# Altium PCB radxa_nx4_io_board_v1.11.PcbDoc (part 5 of 13)
Units mil, origin at the board's own origin, x right, y up, seen from the top; angles counter-clockwise.
Board outline 3937.01 x 3110.23 mil, 6 copper layers (TOP, GND02, ART03, ART04, GND05, BOTTOM), stack 47.2 mil thick; 639 components, 522 nets, 2442 pads, 1896 vias.
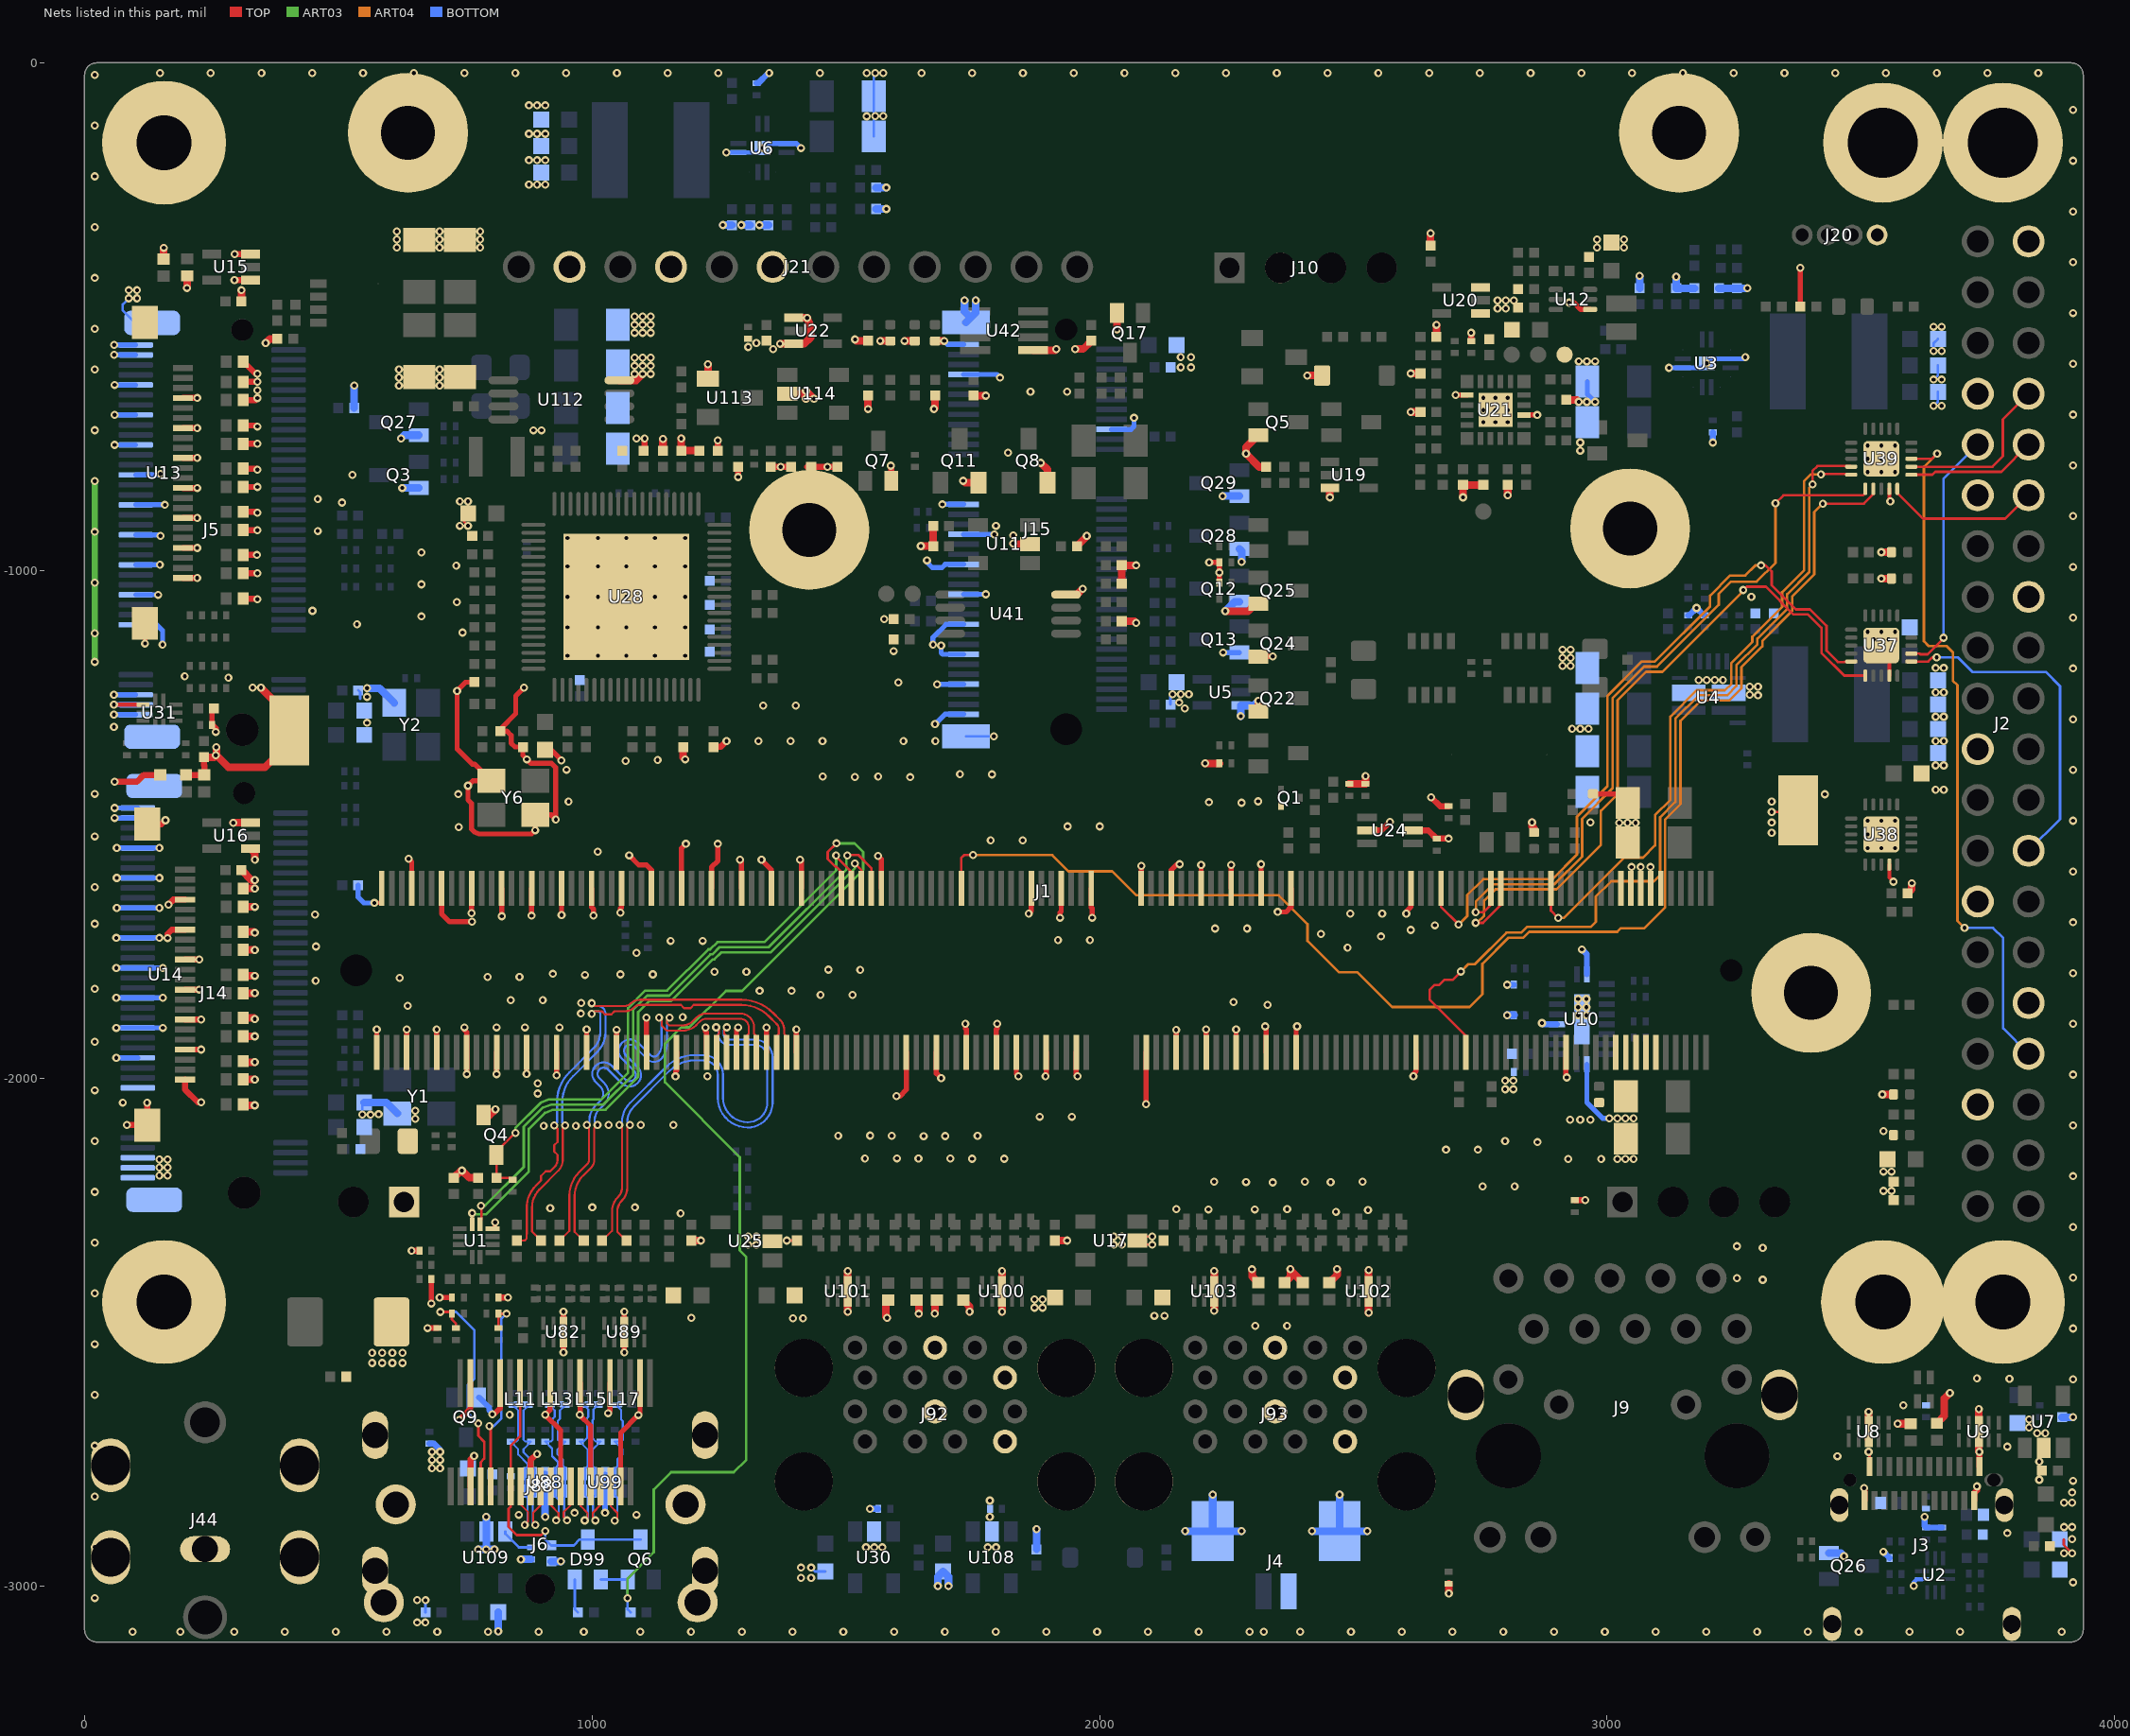
[diagram p9: the nets of this part, all layers, seen from the top]

## Via types
v1: diameter 16, hole 8, TOP to BOTTOM, 1896 vias

## Nets (pads, with @x,y where several pads share a name; then routed paths per layer and width w, separated by ;. In a path a pad name is that pad's centre, name@x,y a point inside that pad or via, vN(x,y) a via of type N, cw(c..) or ccw(c..) an arc to the next point about the centre after c; other vN are vias at no path point) (continued)
GND: C1.2 C2.2 C3.2 C5.2 C6.2 C7.2 C8.2 C9.2 C10.2 C13.2 C14.2 C15.1 C17.2 C19.2 C20.2 C21.2 C22.2 C23.2 C24.2 C25.2 C27.2 C28.2 C29.2 C30.2 C37.2 C38.2 C43.2 C44.2 C45.2 C50.2 C51.2 C52.2 C53.2 C54.2 C55.2 C56.2 C57.2 C59.2 C60.2 C61.2 C62.2 C64.2 C65.2 C66.2 C67.2 C68.2 C69.2 C70.2 C71.2 C72.2 C73.2 C74.2 C75.2 C76.2 C77.2 C80.2 C81.2 C82.2 C83.2 C84.2 C85.2 C86.2 C87.2 C88.2 C89.2 C90.2 C91.1 C92.2 C93.1 C94.1 C96.2 C97.2 C98.2 C99.2 C100.2 C117.2 C119.2 C120.2 C121.2 C122.2 C123.2 C124.2 C125.2 C126.2 C127.2 C128.2 C129.2 C132.2 C133.2 C140.2 C145.2 C146.2 C147.2 C148.2 C150.2 C151.2 C152.2 C153.2 C158.2 C159.2 C160.2 C161.2 C162.2 C163.1 C164.2 C169.2 C378.1 C379.1 C382.1 C388.2 C398.2 C401.2 C402.2 C403.1 C404.2 C405.2 C407.2 C408.2 C409.2 C410.2 C414.2 C417.2 C418.2 C419.2 C422.2 D2.1 D3.1 D4.1 D5.1 D6.2 D7.2 D8.2 D9.2 D10.2 D11.1 D12.1 D13.2 D14.2 D15.2 D16.2 D17.2 D18.2 D19.2 D20.2 D21.2 D22.2 D23.2 D24.2 D25.2 D26.2 D27.2 D28.2 D29.2 D31.2 D32.2 D35.1 D36.2 D37.2 D38.2 D39.2 D40.2 D41.2 D42.2 D43.2 D47.2 D48.2 D49.2 D50.2 D51.2 D52.2 D60.1 D61.1 D62.1 D63.1 D64.1 D65.1 D66.1 H1.1 H2.1 H3.1 H1005.1 H1006.1 H1007.1 H1011.1 H1012.1 H1013.1 H1014.1 H1015.1 J1.1 J1.2 J1.7 J1.8 J1.13 J1.14 J1.19 J1.20 J1.25 J1.26 J1.31 J1.32 J1.37 J1.38 J1.43 J1.44 J1.49 J1.50 J1.55 J1.56 J1.61 J1.62 J1.67 J1.68 J1.73 J1.74 J1.79 J1.80 J1.85 J1.86 J1.102 J1.107 J1.113 J1.119 J1.125 J1.129 J1.132 J1.135 J1.138 J1.141 J1.144 J1.146 J1.147 J1.152 J1.153 J1.158 J1.159 J1.164 J1.165 J1.170 J1.171 J1.176 J1.177 J1.200 J1.201 J1.231 J1.241 J1.242 J1.243 J1.244 J1.245 J1.246 J1.247 J1.248 J1.249 J1.250 J1.261 J1.262 J2.6 J2.9 J2.14 J2.20 J2.25 J2.30 J2.34 J2.39 J3.A1 J3.A12 J3.B1 J3.B12 J3.H1 J3.H2 J3.H3 J3.H4 J4.1 J4.3 J4.4 J5.1 J5.3 J5.9 J5.15 J5.21 J5.27 J5.33 J5.39 J5.45 J5.51 J5.57 J5.71 J5.73 J5.75 J5.G1 J5.G2 J6.2 J6.5 J6.8 J6.11 J6.17 J6.20 J6.21 J6.22 J6.23 J7.1 J9.19 J9.20 J10.2 J14.1 J14.3 J14.9 J14.15 J14.21 J14.27 J14.33 J14.39 J14.45 J14.51 J14.57 J14.71 J14.73 J14.75 J14.G1 J14.G2 J15.1 J15.7 J15.18 J15.33 J15.39 J15.45 J15.51 J15.57 J15.63 J15.69 J15.75 J15.76 J15.77 J20.1 J21.7 J21.9 J21.11 J44.2 J44.4 J44.5 J44.6 J44.7 J88.2 J88.5 J88.8 J88.11 J88.16 J88.19 J88.21 J88.22 J88.23 J88.24 J92.4 J92.7 J92.13 J92.16 J92.19 J92.20 J92.21 J92.22 J93.4 J93.7 J93.13 J93.16 J93.19 J93.20 J93.21 J93.22 Q1.2 Q3.2 Q4.2 Q5.2 Q7.2 Q8.2 Q9.2 Q11.2 Q12.2 Q13.2 Q17.2 Q22.2 Q24.2 Q25.2 Q26.2 Q27.2 Q28.2 Q29.2 R20.2 R22.2 R37.2 R39.2 R42.2 R50.1 R51.1 R52.1 R53.2 R58.2 R59.1 R60.1 R72.2 R77.2 R89.2 R90.2 R92.1 R95.2 R109.2 R110.2 R111.2 R112.1 R115.2 R119.2 R120.2 R121.2 R124.2 R130.1 R132.1 R133.2 R134.1 R135.1 R139.2 R142.1 R143.1 R151.2 R152.2 R153.2 R174.1 R180.1 R202.1 R214.2 R215.2 R216.2 R217.2 R220.2 R224.1 R241.1 R320.2 R326.2 R327.2 R342.2 R343.1 R344.1 R390.1 R391.1 TP33.1 U1.6 U2.4 U3.6 U3.14 U3.17 U4.3 U4.11 U5.3 U6.6 U6.14 U6.17 U7.2 U8.3 U8.8 U9.3 U9.8 U10.4 U10.10 U10.19 U10.21 U11.2 U12.1 U13.1 U13.4 U13.7 U13.10 U13.13 U13.16 U13.19 U13.23 U13.24 U14.1 U14.4 U14.7 U14.10 U14.13 U14.16 U14.19 U14.23 U14.24 U15.1 U15.3 U16.1 U16.3 U17.2 U19.3 U20.1 U20.3 U21.3 U21.12 U21.21 U22.1 U22.3 U24.2 U24.5 U25.2 U28.77 U30.2 U31.3 U37.9 U37.21 U38.9 U38.21 U39.9 U39.21 U41.4 U42.5 U82.3 U82.8 U88.3 U88.8 U89.3 U89.8 U99.3 U99.8 U100.3 U100.8 U101.3 U101.8 U102.3 U102.8 U103.3 U103.8 U108.2 U109.2 U112.4 U113.1 U114.2 Y1.2 Y2.2 Y6.2 Y6.4 | length 16934.4
  TOP w5: C398.2@748.44,-888 748.44,-904.44 v1(756,-912) ; v1(1384,-2319.75) R180.1@1404,-2319.75 ; v1(2104,-2328) 2081.18,-2328 2075.18,-2322 2085.18,-2312 v1(2104,-2312) ; v1(3024,-1497) 3024,-1468.82 3035.82,-1457 3039.82,-1457 C51.2@3040.82,-1458 ; v1(3324,-1475.47) 3373.45,-1475.47 J1.261@3376.37,-1472.55 ; v1(3515,-2736) 3516.65,-2737.65 J3.A1@3516.65,-2765.19 ; 3899.56,-2908.86 3899.56,-2919.56 v1(3916,-2936)
  TOP w8: v1(58.44,-1264.25) U31.3@115.52,-1264.25 ; v1(571.51,-1654.85) 581.15,-1654.85 586.02,-1649.98 J1.2@586.02,-1626.09 ; U1.6@804.48,-2296.38 809.48,-2291.38 v1(809.48,-2284) ; U37.21@3540,-1148 3555.75,-1163.75 U37.9@3555.75,-1207.24 ; U38.9@3555.75,-1579.24 3555.75,-1604.82 v1(3564,-1613.07) ; U39.9@3555.75,-839.24 3555.75,-862.21 v1(3557.75,-864.21)
  TOP w10: v1(119.84,-1143.84) U13.24@119.84,-1104.26 ; C133.2@251.81,-1304 251.81,-1275.94 R151.2@255.75,-1272 ; J1.1@576.17,-1948.92 v1(576.17,-1904.17) ; J1.7@635.23,-1948.92 v1(635.23,-1904) ; v1(638.83,-1567.78) 645.07,-1574.02 J1.8@645.07,-1626.09 ; J1.13@694.28,-1948.92 v1(694.28,-1904) ; J1.14@704.13,-1626.09 704.13,-1676.13 720,-1692 v1(764,-1692) ; v1(749.21,-1900) 749.21,-1905.21 753.34,-1909.34 J1.19@753.34,-1948.92 v1(753.34,-1992) ; v1(763.18,-1675) J1.20@763.18,-1626.09 ; C379.1@768.25,-1220 751.07,-1220 734.5,-1236.57 v1(734.5,-1237.57) 734.41,-1237.66 734.41,-1351.79 764.21,-1381.59 768.74,-1381.59 Y6.4@801.69,-1414.54 765.46,-1414.54 v1(756,-1424) 756,-1452 763.13,-1459.13 763.13,-1509.65 768.51,-1515.03 778.09,-1519 881.01,-1519 v1(888.31,-1511.7) Y6.2@888.31,-1481.46 919.97,-1481.46 v1(928.97,-1490.46) 928.97,-1388.45 920.44,-1379.92 879.92,-1379.92 v1(872,-1372) 864,-1364 R327.2@864,-1347.75 848.59,-1347.75 840.84,-1340 840.84,-1324.84 832.25,-1316.25 C378.1@820,-1316.25 820,-1312 850,-1282 850,-1247.06 v1(866.39,-1230.67) ; v1(812.39,-1992) J1.25@812.39,-1948.92 ; v1(822.24,-1680.96) J1.26@822.24,-1626.09 ; v1(871.45,-1991.45) J1.31@871.45,-1948.92 ; v1(881.29,-1680) J1.32@881.29,-1626.09 ; C388.2@908,-1353.56 919.54,-1353.56 v1(939.98,-1374) ; J88.11@917.68,-2600.64 917.68,-2653.32 v1(908,-2663) 938.5,-2693.5 J6.8@938.5,-2804.28 ; v1(930.5,-1994.5) J1.37@930.5,-1948.92 ; v1@940.35,-1678.94 J1.38@940.35,-1626.09 ; J88.8@976.74,-2600.64 976.74,-2662.26 v1(976,-2663) 997.56,-2684.56 J6.5@997.56,-2804.28 ; J1.43@989.56,-1948.92 v1(989.56,-1904) ; J1.44@999.4,-1626.09 999.4,-1663.4 1003.35,-1667.35 v1(1003.35,-1679.65) ; v1(1031.79,-2659.79) 1035.79,-2655.79 J88.5@1035.79,-2600.64 ; J1.49@1048.61,-1948.92 v1(1048.61,-1904.61) ; v1(1056.48,-1674.03) 1056.48,-1665.98 1058.46,-1664 J1.50@1058.46,-1626.09 ; J6.2@1056.61,-2804.28 1056.61,-2698.39 v1(1091.5,-2663.5) 1094.85,-2660.15 J88.2@1094.85,-2600.64 ; v1(1064,-2540) U89.8@1064,-2515.26 U89.3@1064,-2484.74 v1(1064,-2460) ; v1(1073.42,-1561) 1092.49,-1580.07 1107.51,-1580.07 1117.51,-1590.07 J1.56@1117.51,-1626.09 ; J1.55@1107.67,-1948.92 v1(1107.67,-1880.54) ; v1(1164.75,-1996.58) 1164.75,-1987.25 1166.72,-1985.28 J1.61@1166.72,-1948.92 ; J1.62@1176.57,-1626.09 1176.57,-1547.03 v1(1185.21,-1538.39) ; v1(1223.8,-1900.06) 1223.8,-1907.8 1225.78,-1909.78 J1.67@1225.78,-1948.92 ; J1.68@1235.62,-1626.09 1235.62,-1584.38 1248.21,-1571.79 v1(1248.21,-1538.39) ; J1.73@1284.84,-1948.92 1284.84,-1903.16 v1(1288,-1900) ; v1(1291.68,-1569.85) 1294.68,-1572.85 J1.74@1294.68,-1626.09 ; v1(1334.1,-1569.85) 1353.73,-1589.48 J1.80@1353.73,-1626.09 ; J1.79@1343.89,-1948.92 v1(1343.89,-1900.11) ; J1.85@1402.95,-1948.92 v1(1402.95,-1904) ; v1(1410.33,-1569.85) 1412.79,-1572.31 J1.86@1412.79,-1626.09 ; v1(1563.63,-1562.45) 1570.27,-1569.09 J1.102@1570.27,-1626.09 ; v1(1600,-2035.4) 1606.71,-2035.4 1619.48,-2022.63 J1.107@1619.48,-1948.92 ; J1.113@1678.54,-1948.92 1678.54,-1990.54 v1(1688,-2000) ; v1(1735.62,-1892.97) 1735.62,-1902.03 1737.59,-1904 J1.119@1737.59,-1948.92 ; J1.125@1796.65,-1948.92 1796.65,-1904 1798.62,-1902.03 v1(1798.62,-1892.97) ; J1.129@1836.02,-1948.92 1836.02,-1992.02 v1(1840,-1996) ; v1(1860.36,-1676) 1865.54,-1670.82 J1.132@1865.54,-1626.09 ; v1(1893.68,-1996.37) 1895.07,-1994.98 J1.135@1895.07,-1948.92 ; v1(1922.33,-1684) 1922.33,-1673.67 1924.6,-1671.4 J1.138@1924.6,-1626.09 ; J1.141@1954.13,-1948.92 1954.13,-1993.82 v1(1956.68,-1996.37) ; J1.144@1983.65,-1626.09 1983.65,-1663.65 1985.33,-1665.33 v1(1985.33,-1684) ; J1.146@2082.08,-1626.09 v1(2082.08,-1582.08) ; v1(2091.92,-2051) J1.147@2091.92,-1948.92 ; J1.152@2141.13,-1626.09 2141.13,-1590.08 2152.61,-1578.6 v1(2157.77,-1578.6) ; J1.153@2150.98,-1948.92 v1(2150.98,-1905.02) ; J1.158@2200.19,-1626.09 v1(2200.19,-1580.19) ; J1.159@2210.03,-1948.92 v1(2210.03,-1904) ; v1(2216,-984) R39.2@2236.19,-984 v1(2236.19,-1004) R42.2@2236.19,-1024 ; J1.164@2259.24,-1626.09 v1(2259.24,-1580) ; J1.165@2269.09,-1948.92 v1(2269.09,-1904) ; Q24.2@2312.63,-1169.59 v1(2341.41,-1169.59) ; J1.170@2318.3,-1626.09 v1(2318.3,-1578.64) ; v1(2326.17,-1897.97) 2328.14,-1899.94 J1.171@2328.14,-1948.92 ; v1(2351,-1672.54) 2356.04,-1672.57 2367.35,-1672.57 2377.35,-1662.57 J1.176@2377.35,-1626.09 ; J1.177@2387.2,-1948.92 2387.2,-1899.94 v1(2389.17,-1897.97) ; v1(2604.34,-1676) 2604.34,-1671.66 2613.58,-1662.42 J1.200@2613.58,-1626.09 ; v1(2618.28,-1996.37) 2618.28,-1991.6 2623.42,-1986.46 J1.201@2623.42,-1948.92 ; v1(2701.53,-654.47) U21.12@2723.9,-654.47 ; U21.3@2836.1,-693.84 v1(2862.16,-693.84) ; J1.231@2918.69,-1948.92 2918.69,-1996.96 v1(2920.23,-1998.5) ; v1(2925.27,-472.47) 2934.46,-472.47 2947.95,-485.96 U12.1@2966.28,-485.96 ; D4.1@2972,-1440 3024.82,-1440 3040.82,-1456 C51.2@3040.82,-1458 ; C161.2@3380.25,-480 v1(3380.25,-404)
  TOP w11: v1(676.19,-2492.19) C87.2@696,-2492.19 ; v1(683.81,-2443.81) C44.2@683.81,-2396 ; v1(700,-2432) C37.2@724.19,-2432 ; v1(738.81,-2673.32) 760.2,-2651.93 J88.19@760.2,-2600.64 ; v1(804,-2662) 807.24,-2662 819.26,-2649.98 J88.16@819.26,-2600.64
  TOP w12: v1(60,-1416) 104,-1416 117.22,-1402.78 D21.2@149.49,-1402.78 ; v1(84.26,-2092.26) U14.24@123.84,-2092.26 v1(123.84,-2048.16) ; U14.23@123.84,-1499.74 152.26,-1499.74 v1(160,-1492) ; v1(164,-1724) 164,-1716 172.58,-1707.42 U14.16@198.64,-1707.42 ; v1(166,-1658) 175.64,-1648.36 U14.19@198.64,-1648.36 ; U13.1@194.64,-1014.69 v1(222.47,-1014.69) ; U13.4@194.64,-955.64 v1(222.47,-955.64) ; U13.7@194.64,-896.58 v1(222.47,-896.58) ; U13.10@194.64,-837.53 v1(222.47,-837.53) ; U13.13@194.64,-778.47 v1(222.47,-778.47) ; U13.16@194.64,-719.42 v1(222.47,-719.42) ; U13.19@194.64,-660.36 v1(222.47,-660.36) ; U14.1@198.64,-2002.69 198.64,-2022.65 223.67,-2047.68 v1(230.39,-2047.68) ; U14.4@198.64,-1943.64 v1(230.42,-1943.64) ; U14.7@198.64,-1884.58 v1(230.42,-1884.58) ; U14.10@198.64,-1825.53 v1(226.47,-1825.53) ; U14.13@198.64,-1766.47 v1(226.47,-1766.47) ; D20.2@200.49,-1402.78 D18.2@236.49,-1402.78 236.49,-1384.48 236,-1383.99 R152.2@236,-1367.75 ; C133.2@251.81,-1304 259,-1311.19 v1(259,-1318) ; v1(296,-428.08) U15.1@327.7,-428.08 ; v1(296.19,-376.9) U15.3@327.7,-376.9 ; D47.2@313.22,-1055.49 340.05,-1055.49 v1(341.05,-1056.49) ; D48.2@313.22,-1005.49 v1(341.05,-1005.49) ; D49.2@313.22,-969.49 v1(340.05,-969.49) ; D50.2@313.22,-920.49 v1(341.05,-920.49) ; D51.2@313.22,-884.49 339.05,-884.49 v1(341.05,-886.49) ; D52.2@313.22,-835.49 v1(341.05,-835.49) ; D22.2@313.22,-799.49 339.05,-799.49 v1(341.05,-801.49) ; D23.2@313.22,-750.49 v1(341.05,-750.49) ; D24.2@313.22,-714.49 339.05,-714.49 v1(341.05,-716.49) ; D25.2@313.22,-664.49 337.05,-664.49 v1(341.05,-660.49) ; D28.2@313.22,-628.49 v1(341.05,-628.49) ; D29.2@313.22,-588.49 337.22,-612.49 v1(341.05,-612.49) ; v1(645,-2340) C43.2@660.19,-2340 ; J6.17@761.33,-2804.28 761.33,-2750.67 v1(768,-2744) ; C38.2@815.81,-2432 v1(834.72,-2432) ; J6.11@879.44,-2804.28 879.44,-2752 891.44,-2740 v1(892,-2740) ; v1(944,-2540) U82.8@944,-2515.26 U82.3@944,-2484.74 v1(944,-2460) ; R342.2@1102,-764.25 1104,-762.25 v1(1104,-740) ; C408.2@1240,-1347.75 1240.2,-1347.55 1253.74,-1347.55 v1(1265.32,-1335.97) ; C419.2@1248,-764.25 v1(1248,-744) ; v1(1288,-816) C422.2@1288,-795.75 ; C401.2@1352,-795.75 1371.75,-795.75 v1(1372,-796) 1372.25,-795.75 C402.2@1384,-795.75 ; R344.1@1424,-795.75 R344.1@1432,-795.75 v1(1464.25,-795.75) R343.1@1484,-795.75 ; v1(1588.59,-793.59) 1589.59,-794.59 Q7.2@1589.59,-823.37 ; U24.2@2526.72,-1512 2555,-1512 v1(2572,-1495) ; U24.5@2617.28,-1512 2647.81,-1512 R241.1@2664,-1528.19 v1(2687.81,-1528.19) ; v1(2653.41,-1446.59) 2671.01,-1464.19 C151.2@2688,-1464.19 ; R124.2@2732,-548.19 v1(2732,-532) ; C93.1@2936,-2240.19 v1(2956.88,-2240.19) ; v1(3506,-2807) 3506.81,-2807.81 J3.B12@3506.81,-2831.73 ; J3.B1@3723.35,-2831.73 3723.35,-2816.64 3728.35,-2811.64 v1(3728.35,-2804) ; v1(3733,-2736) 3733.19,-2736.19 J3.A12@3733.19,-2765.19
  TOP w15: D27.2@156.49,-386.78 v1(156.49,-364.49) ; v1(202.34,-443.71) 203.02,-443.03 D26.2@203.02,-419.71 ; R152.2@236,-1367.75 255.52,-1367.75 v1(259.25,-1364.02) ; v1(260.25,-1348.27) 260.25,-1363.02 v1(259.25,-1364.02) ; v1(293.65,-1496.9) U16.3@327.7,-1496.9 ; C85.2@309.75,-1590 329.75,-1610 v1(336,-1610) ; C129.2@309.75,-470 v1(309.75,-448) ; D6.2@313.22,-2051.49 313.22,-2052.49 314.22,-2053.49 v1(336,-2053.49) ; D7.2@313.22,-2002.49 v1(336,-2002.49) ; D8.2@313.22,-1966.49 315.22,-1968.49 v1(336,-1968.49) ; D9.2@313.22,-1917.49 v1(336,-1917.49) ; D10.2@313.22,-1881.49 334,-1881.49 v1(336,-1883.49) ; D13.2@313.22,-1832.49 v1(336,-1832.49) ; D14.2@313.22,-1796.49 315.22,-1798.49 v1(336,-1798.49) ; D15.2@313.22,-1747.49 v1(336,-1747.49) ; D16.2@313.22,-1711.49 334,-1711.49 v1(336,-1713.49) ; D17.2@313.22,-1662.49 v1(336,-1662.49) ; D19.2@313.22,-1626.49 v1(336,-1626.49) ; U16.1@327.7,-1548.08 336.13,-1556.51 v1(336.13,-1569.55) ; v1(348,-1231) 403.93,-1286.93 J1.262@403.93,-1315.07 403.93,-1340.07 356,-1388 284.23,-1388 260.25,-1364.02 v1(259.25,-1364.02) ; v1(357.41,-552) 365.41,-544 R37.2@380.25,-544 ; C45.2@728,-2196.25 742.34,-2181.91 v1(744,-2181.91) 758.34,-2196.25 C50.2@776,-2196.25 ; Q4.2@786.41,-2072.63 798.96,-2072.63 v1(810,-2061.59) ; U112.4@1054.2,-625.6 1087.4,-625.6 v1(1100,-613) ; C382.1@1140,-764.25 v1(1140,-741) ; v1(1176,-740) R326.2@1176,-764.25 C410.2@1212,-764.25 ; C418.2@1180,-1347.75 1180,-1368 v1(1184,-1372) ; R90.2@1196,-2319.75 v1(1214.84,-2319.75) ; U113.1@1228.69,-622.6 v1(1228.69,-593.85) ; v1(1370.59,-553.59) U22.3@1397.81,-553.59 1418.43,-553.59 1430.79,-541.23 1430.79,-518.79 v1(1424,-502.41) U22.1@1397.81,-502.41 ; U114.2@1384.82,-652 1415.75,-652 v1(1421.75,-646) ; v1(1421.75,-662) v1(1421.75,-646) ; v1(1437.5,-661.75) v1(1421.75,-646) ; v1(1504,-2460) U101.8@1504,-2435.26 U101.3@1504,-2404.74 v1(1504,-2380) ; v1(1518.44,-545) 1521.19,-547.75 R220.2@1544,-547.75 ; v1(1544,-682) C403.1@1544,-655.75 ; v1(1568,-548) D64.1@1588,-548 ; v1(1581.54,-2472) 1578.99,-2469.45 1578.99,-2462.99 1578.98,-2441.75 D39.2@1583.51,-2437.22 ; v1(1616,-548) D65.1@1636,-548 ; D38.2@1639.51,-2437.22 1644,-2441.71 v1(1644,-2464) ; v1(1648,-952) C24.2@1672.25,-952 C25.2@1672.25,-912 ; v1(1673.88,-681.87) 1676,-679.75 R224.1@1676,-655.75 ; v1(1675.51,-2463.51) 1675.51,-2441.22 D37.2@1679.51,-2437.22 ; D66.1@1676,-548 v1(1694,-548) ; v1(1731.39,-823.39) 1735.31,-827.31 Q11.2@1761.4,-827.31 ; D36.2@1731.51,-2437.22 1744,-2449.71 v1(1744,-2460) ; C162.2@1752,-655.75 v1(1776,-655.75) ; v1(1808,-2460) U100.8@1808,-2435.26 U100.3@1808,-2404.74 v1(1808,-2380) ; v1(1830,-947) 1831,-948 U11.2@1863.18,-948 ; U42.5@1869.09,-566.39 1912.53,-566.39 v1(1914.91,-564.01) ; v1(1884,-788) 1897.4,-801.4 Q8.2@1897.4,-827.31 ; R95.2@1912,-2319.75 v1(1936,-2319.75) ; U41.4@1934.2,-1047.6 1955.4,-1047.6 v1(1966.67,-1036.33) ; v1(1952,-564) 1967.75,-564 C163.1@1984,-547.75 ; C23.2@1955.75,-952 1974.79,-932.96 v1(1974.79,-931.96) ; v1(2034.41,-525.32) Q17.2@2034.41,-492.63 ; R217.2@2043.75,-1100 2069,-1100 v1(2072,-1103) ; R216.2@2043.75,-1026 R215.2@2043.75,-990 v1(2072,-990) ; v1(2208,-1380) C13.2@2236.19,-1380 ; v1(2226,-2458) U103.8@2226,-2435.26 U103.3@2226,-2404.74 v1(2226,-2380) ; v1(2247.62,-1080.22) 2292.74,-1080.22 2307.37,-1065.59 Q25.2@2312.63,-1065.59 ; v1(2300.49,-2376.49) 2300.49,-2390.78 D41.2@2312.49,-2402.78 ; Q22.2@2312.63,-1277.59 v1(2312.63,-1257) ; Q5.2@2312.63,-733.59 2288.64,-757.58 v1(2288.64,-769.66) 2288.64,-769.9 2314.99,-796.25 R121.2@2328,-796.25 ; D40.2@2364.49,-2402.78 2376,-2391.27 v1@2376,-2378.29 ; v1(2376,-2376) v1@2376,-2378.29 ; D43.2@2400.49,-2402.78 v1@2376,-2378.29 ; v1(2409.25,-616) D35.1@2438.25,-616 ; D42.2@2452.49,-2402.78 2468,-2387.27 v1(2468,-2376) ; v1(2453.81,-856) U19.3@2453.81,-837.59 ; R174.1@2492,-1420.19 C150.2@2524,-1420.19 v1(2524,-1405) ; v1(2530,-2462) U102.8@2530,-2435.26 U102.3@2530,-2404.74 v1(2530,-2378) ; v1(2613,-688) C90.2@2632.25,-688 ; v1(2613,-612) R112.1@2632.25,-612 ; R110.2@2652,-360.25 v1(2652,-336) ; R120.2@2663.75,-540 v1(2663.75,-516.25) ; v1(2688,-3014.72) C91.1@2688,-2995.81 ; v1(2716,-856) C88.2@2716,-831.75 R111.2@2756,-831.75 ; v1(2804,-852) R109.2@2804,-831.75 ; v1(2852,-1496) 2852,-1504 2856,-1508 D3.1@2856,-1516 ; C89.2@2919.75,-664 2940,-664 v1(2944,-668) ; U8.8@3515,-2711.26 U8.3@3515,-2680.74 v1(3515,-2657) ; v1(3540,-1016) D60.1@3560,-1016 ; v1(3540,-964) D61.1@3560,-964 ; v1(3542,-2032) D62.1@3564,-2032 ; v1(3572,-2680.62) D12.1@3597.51,-2680.62 ; R202.1@3591.75,-1636 3600,-1627.75 v1(3600,-1616) ; D11.1@3649.51,-2679.76 3664,-2665.27 3664,-2631.13 v1(3675.01,-2620.12) ; v1(3732,-2652) U9.8@3732,-2680.74 U9.3@3732,-2711.26 3732,-2735 v1(3733,-2736)
  ART03 w12: v1(20.73,-1180) v1(20.73,-1123.85) v1(20.73,-1023.85) v1(20.73,-923.85) v1(20.73,-823.85)
  ART04 w5: v1@3505,-2807 v1(3506,-2807)
  BOTTOM w5: v1(88,-464) 76,-476 76,-488 100.52,-512.52 J5.G2@133.92,-512.52 ; C77.2@539.75,-1236 543.75,-1240 543.75,-1252.75 ; v1(547.56,-2071.56) 547.56,-2052 C126.2@551.56,-2048 ; C122.2@672.25,-3052 v1(672.25,-3028.25) ; v1(1432,-2964) 1439.56,-2971.56 C125.2@1460,-2971.56 ; C17.2@1555.18,-145 C98.2@1555.18,-66 1555.18,-23.05 v1(1558,-20.23) ; J15.77@1736.93,-1326.5 v1(1792,-1326.5) ; C146.2@2139.75,-1264 2139.75,-1248.25 v1(2144,-1244) ; v1(3643,-676) 3651.56,-667.44 C19.2@3651.56,-648 ; v1(3643,-624) 3651.56,-615.44 C20.2@3651.56,-596 ; v1(3643,-568) 3643,-552.56 C21.2@3651.56,-544
  BOTTOM w8: v1(1264.86,-176.86) U6.14@1288.76,-176.86 1327.14,-176.86 v1(1336,-168) ; v1(3604,-3000) 3604,-2993 3610.27,-2986.73 U2.4@3620.41,-2986.73
  BOTTOM w10: v1(58.44,-1283.93) 58.68,-1284.17 J5.75@101.44,-1284.17 ; v1(58.44,-1264.25) 58.68,-1264.49 J5.73@101.44,-1264.49 ; v1(58.44,-1244.56) 58.68,-1244.8 J5.71@101.44,-1244.8 ; v1(59,-575.51) J5.3@101.44,-575.51 ; v1(59,-555.83) J5.1@101.44,-555.83 ; v1(60,-1487.51) J14.3@105.44,-1487.51 ; v1(60,-1467.83) J14.1@105.44,-1467.83 ; v1(60,-752.68) J5.21@101.44,-752.68 ; v1(60,-693.62) J5.15@101.44,-693.62 ; v1(60,-634.57) J5.9@101.44,-634.57 ; v1(63.15,-1959.95) J14.51@105.44,-1959.95 ; v1(63.15,-1900.9) J14.45@105.44,-1900.9 v1(154.73,-1900.9) ; v1(63.15,-1841.84) J14.39@105.44,-1841.84 v1(154.73,-1841.84) ; v1(63.15,-1782.79) J14.33@105.44,-1782.79 v1(154.73,-1782.79) ; v1(63.15,-1723.73) J14.27@105.44,-1723.73 v1(148,-1723.73) ; v1(64.15,-1664.68) J14.21@105.44,-1664.68 v1(148,-1664.68) ; v1(64.15,-1605.62) J14.15@105.44,-1605.62 v1(148,-1605.62) ; v1(64.15,-1546.57) J14.9@105.44,-1546.57 v1(148,-1546.57) ; J5.57@101.44,-1107.01 143.01,-1107.01 154.28,-1118.28 v1(154.28,-1146.28) ; J5.51@101.44,-1047.95 v1(145.32,-1047.95) ; J5.45@101.44,-988.9 v1(149,-988.9) ; J5.39@101.44,-929.84 145.84,-929.84 148,-932 v1(150,-932) ; J5.33@101.44,-870.79 v1(158.94,-870.78) ; J5.27@101.44,-811.73 148.06,-811.73 v1(150.03,-809.76) ; C140.2@539.75,-1620 539.75,-1643.75 550.85,-1654.85 v1(571.51,-1654.85) ; v1(1336,-168) 1344.86,-159.14 U6.6@1383.24,-159.14 1403.14,-159.14 v1(1412,-168) ; v1(1660,-980) 1660,-984 1670.34,-994.34 1689.66,-994.34 1696.08,-987.92 J15.45@1732.4,-987.92 ; v1(1672,-1145.9) 1672,-1132 1697.97,-1106.03 J15.57@1732.4,-1106.03 ; v1(1675.93,-1302.69) 1695.43,-1283.19 J15.75@1732.4,-1283.19 ; v1(1680.14,-1224.14) J15.69@1732.4,-1224.14 ; v1(1688,-1148) 1688,-1162.16 1690.92,-1165.08 J15.63@1732.4,-1165.08 ; v1(1690.19,-869.81) J15.33@1732.4,-869.81 ; v1(1694,-548) 1700.85,-554.85 J15.1@1732.4,-554.85 ; J15.51@1732.4,-1046.97 v1(1776,-1046.97) ; J15.39@1732.4,-928.86 v1(1792.83,-928.86) ; J15.7@1732.4,-613.9 1797.55,-613.9 v1(1804,-620.35) ; J15.18@2023.74,-722.17 2061.83,-722.17 2068,-716 v1(2068,-699.5) ; v1(2243.34,-1161.59) Q13.2@2275.37,-1161.59 ; U10.19@2959.99,-1972.42 2959.99,-2047.99 2991,-2079 v1(3004,-2079) ; C59.2@2960.82,-628 2960.82,-652.82 v1(2976,-668) ; v1(3121.86,-600.86) U3.6@3148.76,-600.86 3187.14,-600.86 v1(3196,-592) 3204.86,-583.14 U3.14@3243.24,-583.14 3268.86,-583.14 v1(3272,-580)